# Altium PCB Elevator.PcbDoc (part 3 of 4) (continued)
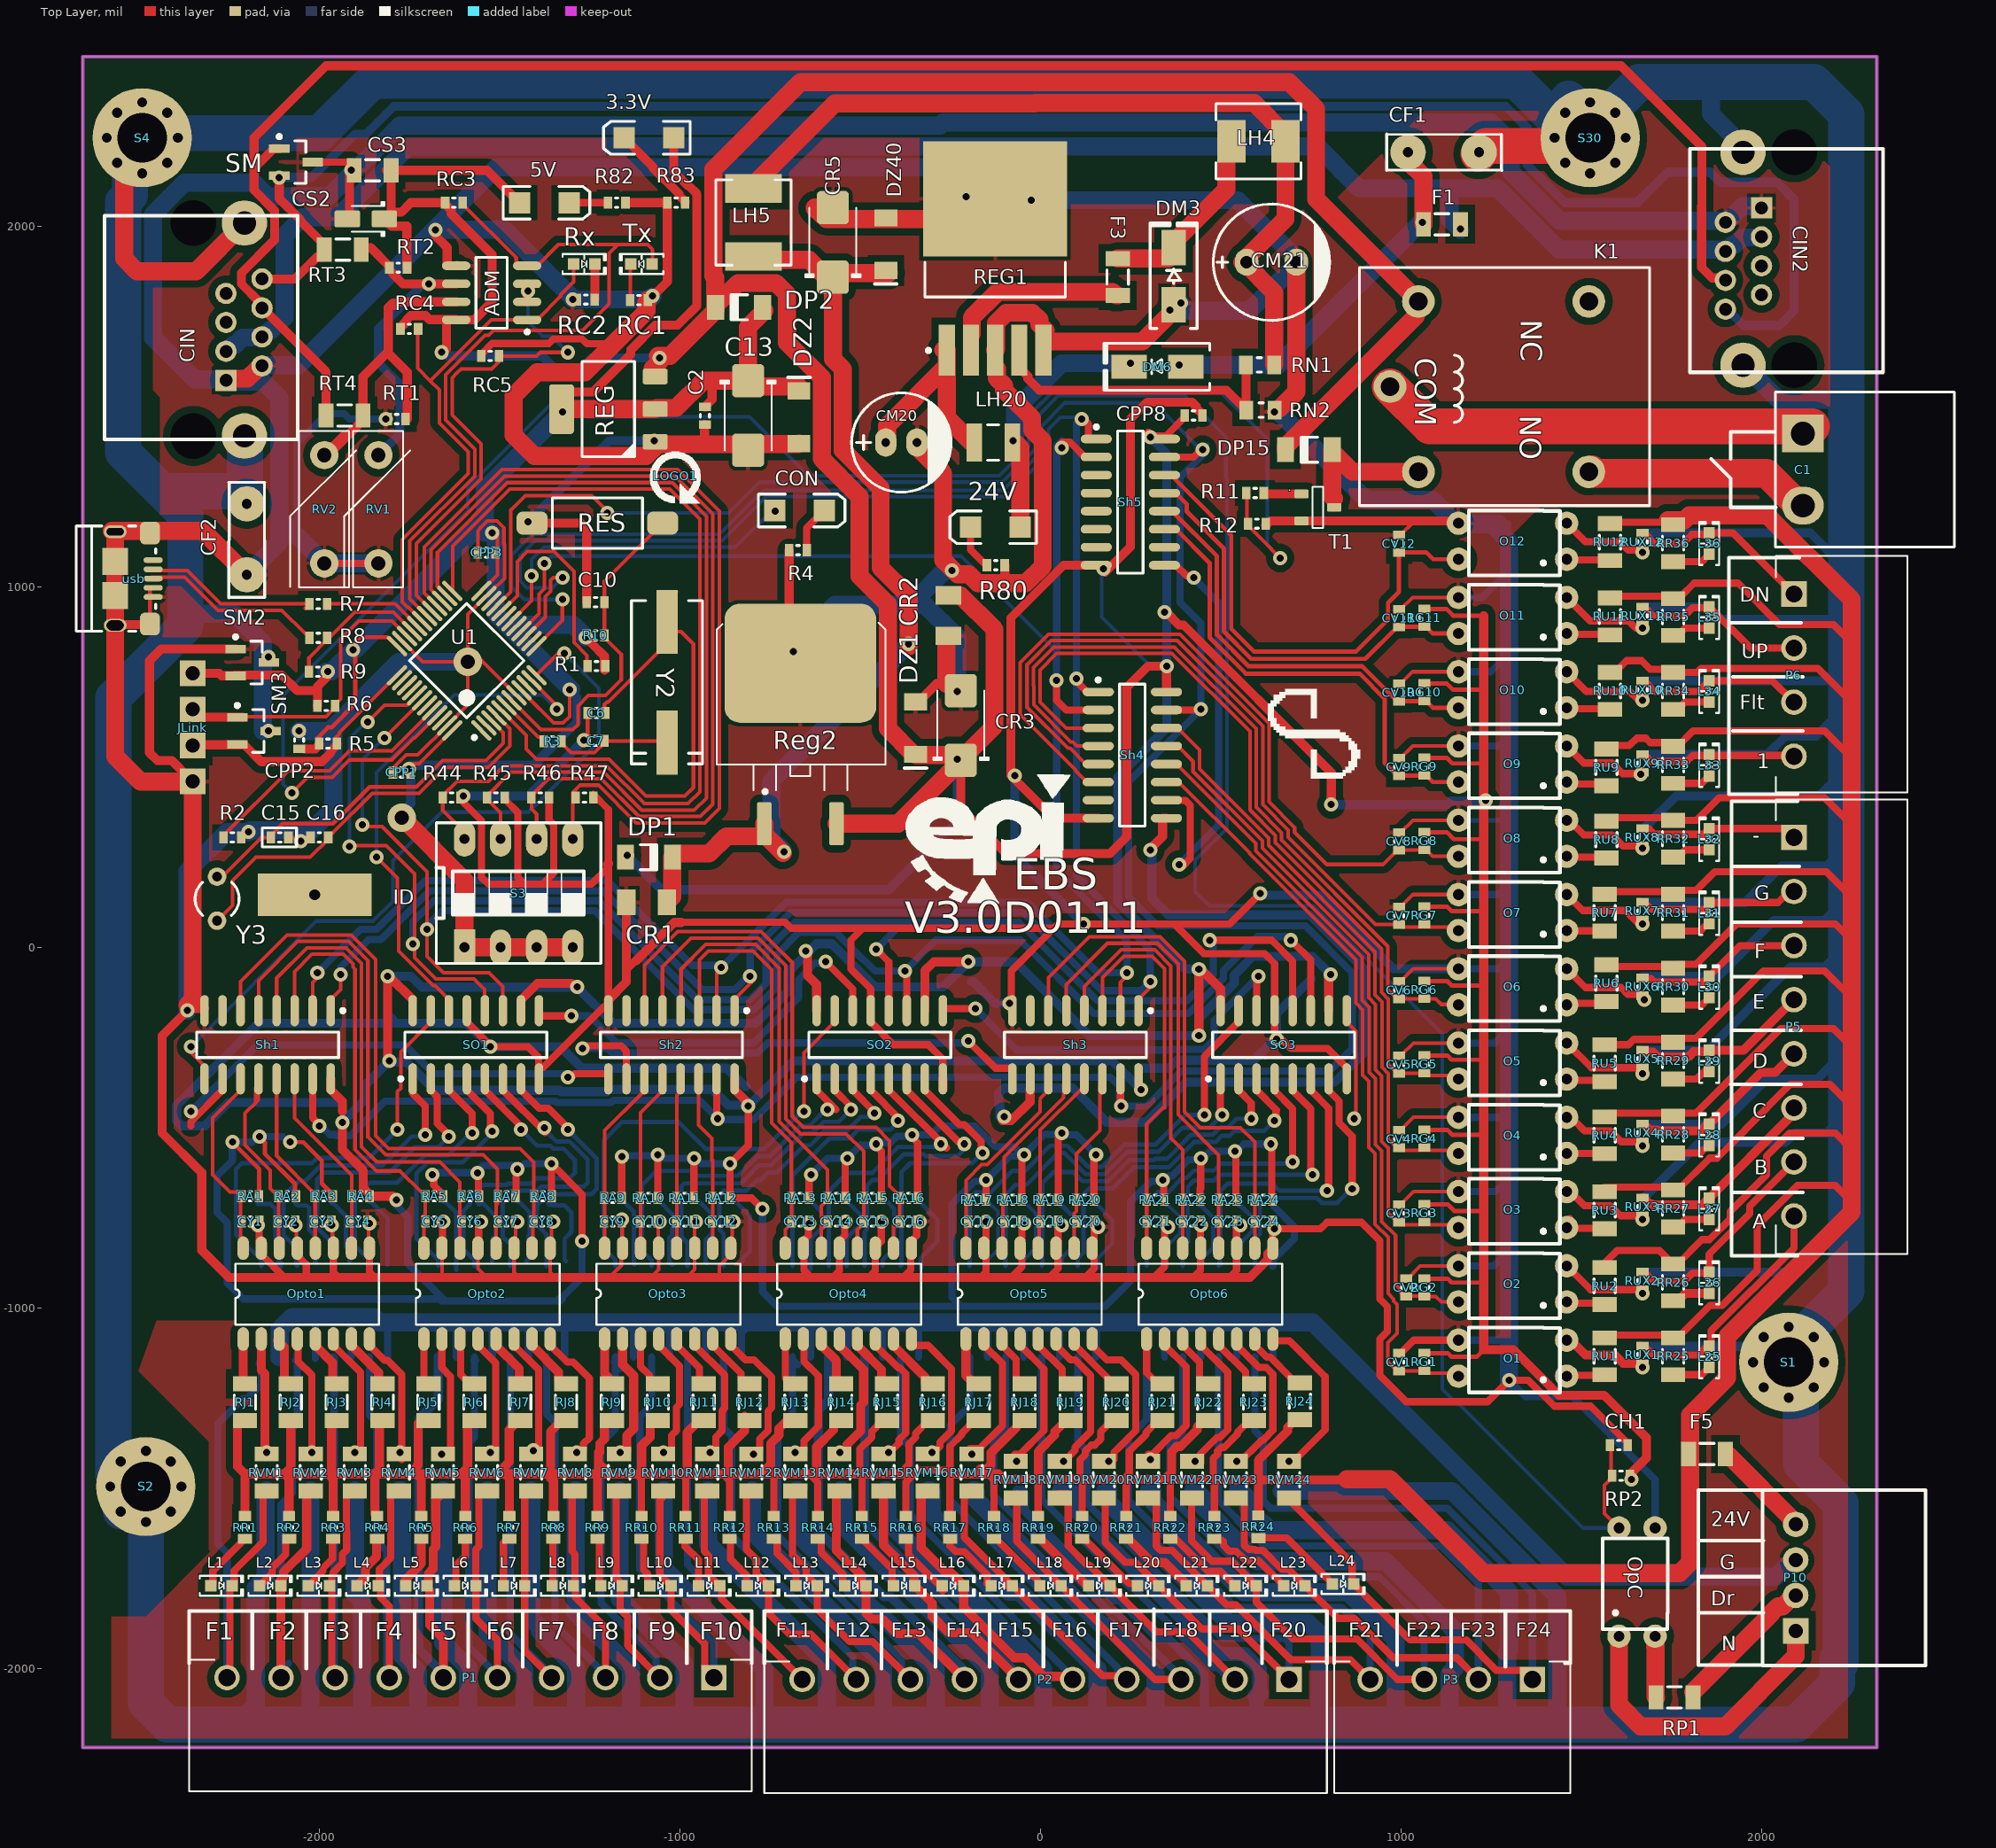
[diagram p0: Top Layer view]
## Nets (pads, with @x,y where several pads share a name; then routed paths per layer and width w, separated by ;. In a path a pad name is that pad's centre, name@x,y a point inside that pad or via, vN(x,y) a via of type N, cw(c..) or ccw(c..) an arc to the next point about the centre after c; other vN are vias at no path point) (continued)
NetO4_1: O4.1 RU4.2 | length 107.9
  Top Layer w20: O4.1@1460,-571.18 O4.1@1471.28,-571.18 ; O4.1@1470,-575 1473.31,-571.69 1564.49,-571.69 RU4.2@1565,-572.2
NetO5_1: O5.1 RU5.2 | length 102
  Top Layer w20: O5.1@1465,-370 1466.27,-368.73 1561.52,-368.73 RU5.2@1565,-372.2
NetO6_1: O6.1 RU6.2 | length 113.3
  Top Layer w20: O6.1@1465,-170 1480.34,-154.66 1565.34,-154.66 RU6.2@1570,-150
NetO7_1: O7.1 RU7.2 | length 105.7
  Top Layer w20: O7.1@1460,46.61 1460.81,45.81 1564.19,45.81 RU7.2@1565,45
NetO8_1: O8.1 RU8.2 | length 131.6
  Top Layer w20: O8.1@1460,252.55 1462.38,250.17 O8.1@1470.82,250.17 ; O8.1@1470,245 1470,249.35 O8.1@1470.82,250.17 ; O8.1@1480.79,260.14 O8.1@1470.82,250.17 ; RU8.2@1570,247.8 1567.62,250.17 O8.1@1470.82,250.17
NetO9_1: O9.1 RU9.2 | length 118.3
  Top Layer w20: O9.1@1460,458.48 1465.34,453.14 O9.1@1471.86,453.14 ; O9.1@1470,455 O9.1@1471.86,453.14 ; O9.1@1472.77,452.23 O9.1@1471.86,453.14 ; RU9.2@1570,447.8 1564.66,453.14 O9.1@1471.86,453.14
NetO10_1: O10.1 RU10.2 | length 108.9
  Top Layer w20: O10.1@1460,664.41 O10.1@1464.4,660.01 ; O10.1@1480,660 1480,661.45 1480.79,662.24 1577.83,662.24 RU10.2@1580,660.07
NetO11_1: O11.1 RU11.2 | length 123
  Top Layer w20: O11.1@1465,875 1471.61,868.39 1578.05,868.39 RU11.2@1580,866.43 ; O11.1@1474.7,855.64 1474.7,859.7 O11.1@1475,860
NetO12_1: O12.1 RU12.2 | length 121
  Top Layer w20: O12.1@1470,1080 1475.47,1074.53 1578.26,1074.53 RU12.2@1580,1072.79 ; O12.1@1471.56,1058.44 1471.56,1061.56 O12.1@1475,1065
NetOpC_2: OpC.2 RP1.1 | length 204.9
  Top Layer w50: OpC.2@1705,-1938.74 OpC.2@1705,-1910 ; OpC.2@1705,-1905 1706.4,-1906.4 1706.4,-2078.6 RP1.1@1707.8,-2080
NetOpto1_1: Opto1.1 RJ1.1 | length 114
  Top Layer w25: RJ1.1@-2210,-1200 Opto1.1@-2210,-1085.98
NetOpto1_3: Opto1.3 RJ2.1 | length 141.3
  Top Layer w25: Opto1.3@-2115,-1090 -2096.12,-1108.88 -2096.12,-1201.83 -2087.95,-1210 RJ2.1@-2077.83,-1210
NetOpto1_5: Opto1.5 RJ3.1 | length 139.7
  Top Layer w25: Opto1.5@-2010,-1085.98 -2010,-1104 -1962.17,-1151.83 -1962.17,-1202.83 RJ3.1@-1960,-1205
NetOpto1_7: Opto1.7 RJ4.1 | length 140.1
  Top Layer w25: Opto1.7@-1910,-1085.98 -1910,-1104 -1835,-1179 RJ4.1@-1835,-1195
NetOpto2_1: Opto2.1 RJ5.1 | length 124.7
  Top Layer w20: Opto2.1@-1709,-1085.98 -1709,-1199.33 -1703.33,-1205 RJ5.1@-1700,-1205
NetOpto2_3: Opto2.3 RJ6.1 | length 138
  Top Layer w20: Opto2.3@-1609,-1085.98 -1607.13,-1087.86 -1607.13,-1184.8 -1591.93,-1200 RJ6.1@-1575,-1200
NetOpto2_5: Opto2.5 RJ7.1 | length 137.3
  Top Layer w25: Opto2.5@-1507.76,-1087.23 Opto2.5@-1509,-1085.98 -1509,-1104 -1445,-1168 RJ7.1@-1445,-1195
NetOpto2_7: Opto2.7 RJ8.1 | length 163.2
  Top Layer w25: Opto2.7@-1409,-1085.98 -1409,-1104 -1335.75,-1177.25 -1335.75,-1201.83 -1332.58,-1205 RJ8.1@-1320,-1205
NetOpto3_1: Opto3.1 RJ9.1 | length 109.1
  Top Layer w25: Opto3.1@-1206.76,-1087.23 Opto3.1@-1208,-1085.98 -1208,-1182 RJ9.1@-1200,-1190
NetOpto3_3: Opto3.3 RJ10.1 | length 144.6
  Top Layer w20: Opto3.3@-1108,-1085.98 -1108,-1162 -1083.9,-1186.1 -1083.9,-1199.33 -1078.23,-1205 RJ10.1@-1065,-1205
NetOpto3_5: Opto3.5 RJ11.1 | length 135.1
  Top Layer w20: Opto3.5@-1008,-1085.98 -1008,-1102.91 -945,-1165.91 RJ11.1@-945,-1195
NetOpto3_7: Opto3.7 RJ12.1 | length 160.5
  Top Layer w20: Opto3.7@-908,-1085.98 -908,-1102.91 -829.55,-1181.36 -829.55,-1200.45 RJ12.1@-820,-1210
NetOpto4_1: Opto4.1 RJ13.1 | length 139.1
  Top Layer w20: Opto4.1@-707,-1085.98 -707,-1194.71 -686.71,-1215 RJ13.1@-685,-1215
NetOpto4_3: Opto4.3 RJ14.1 | length 133.2
  Top Layer w25: Opto4.3@-605.76,-1087.23 Opto4.3@-607,-1085.98 -607,-1104 -565,-1146 RJ14.1@-565,-1200
NetOpto4_5: Opto4.5 RJ15.1 | length 141.8
  Top Layer w25: Opto4.5@-507,-1085.98 -507,-1104 -440,-1171 RJ15.1@-440,-1200
NetOpto4_7: Opto4.7 RJ16.1 | length 160.1
  Top Layer w25: Opto4.7@-407,-1085.98 -407,-1104 -320,-1191 RJ16.1@-320,-1210
NetOpto5_1: Opto5.1 RJ17.1 | length 132.8
  Top Layer w25: Opto5.1@-205.94,-1086.05 Opto5.1@-206,-1085.98 -206,-1187.01 -185,-1208.01 RJ17.1@-185,-1210
NetOpto5_3: Opto5.3 RJ18.1 | length 143.6
  Top Layer w20: Opto5.3@-106,-1085.98 -106,-1102.91 -66.51,-1142.41 -66.51,-1199.33 -60.84,-1205 RJ18.1@-55,-1205
NetOpto5_5: Opto5.5 RJ19.1 | length 157.6
  Top Layer w20: Opto5.5@-6,-1085.98 -6,-1102.91 60.67,-1169.58 60.67,-1199.33 66.33,-1205 RJ19.1@75,-1205
NetOpto5_7: Opto5.7 RJ20.1 | length 158.8
  Top Layer w20: Opto5.7@94,-1085.98 94,-1101.04 187.84,-1194.88 187.84,-1202.84 RJ20.1@190,-1205
NetOpto6_1: Opto6.1 RJ21.1 | length 143.5
  Top Layer w20: Opto6.1@295,-1085.98 295,-1179.32 330,-1214.32 RJ21.1@330,-1215
NetOpto6_3: Opto6.3 RJ22.1 | length 150.1
  Top Layer w20: Opto6.3@395,-1085.98 395,-1102.91 442.19,-1150.1 442.19,-1199.33 452.86,-1210 RJ22.1@455,-1210
NetOpto6_5: Opto6.5 RJ23.1 | length 160.1
  Top Layer w20: Opto6.5@495,-1085.98 495,-1102.91 569.36,-1177.27 569.36,-1199.33 570.03,-1200 RJ23.1@585,-1200
NetOpto6_7: Opto6.7 RJ24.1 | length 182.6
  Top Layer w20: Opto6.7@595,-1085.98 595,-1102.91 628.62,-1136.54 638.19,-1136.54 696.54,-1194.88 696.54,-1197.13 709.41,-1210 RJ24.1@715,-1210
NetOptoO1_2: OptoO1.2 RF1.1 | length 200.6
  Bottom Layer w12: RF1.1@-2170,-711.01 -2135.27,-711.01 -2120.13,-726.14 -2120.13,-809.87 -2110,-820 OptoO1.2@-2110,-865
  Bottom Layer w20: OptoO1.2@-2110.5,-883.51 OptoO1.2@-2110,-884.02 ; OptoO1.2@-2110.5,-874.5 OptoO1.2@-2110,-875
NetOptoO1_4: OptoO1.4 RF2.1 | length 202.4
  Bottom Layer w12: RF2.1@-2065,-710 -2059.19,-715.81 -2034.19,-715.81 -2027.16,-722.84 -2027.16,-783.41 -2010,-800.57 OptoO1.4@-2010,-875
NetOptoO1_6: OptoO1.6 RF3.1 | length 184.6
  Bottom Layer w12: RF3.1@-1965,-710 -1960.08,-710 -1925,-745.08 -1925,-830.19 -1913.73,-841.46 -1913.73,-868.73 OptoO1.6@-1915,-870
NetOptoO1_8: OptoO1.8 RF4.1 | length 197.6
  Bottom Layer w12: RF4.1@-1860,-706.01 -1855.08,-706.01 -1810,-751.09 OptoO1.8@-1810,-880
NetOptoO2_2: OptoO2.2 RF5.1 | length 208.2
  Bottom Layer w12: RF5.1@-1655,-705 -1650.08,-705 -1619,-736.08 OptoO2.2@-1619,-884.02 -1619,-894 OptoO2.2@-1620,-895
NetOptoO2_4: OptoO2.4 RF6.1 | length 183.8
  Bottom Layer w12: RF6.1@-1550,-710 -1545.08,-710 -1510.08,-745 -1510.08,-798.94 -1519,-807.87 -1519,-869 OptoO2.4@-1520,-870
  Bottom Layer w20: RF6.1@-1555,-709.33 RF6.1@-1554.84,-709.16
NetOptoO2_6: OptoO2.6 RF7.1 | length 186.5
  Bottom Layer w12: RF7.1@-1450,-705 -1445.08,-705 -1415,-735.08 -1415,-796.44 -1419,-800.45 -1419,-864 OptoO2.6@-1425,-870
NetOptoO2_8: OptoO2.8 RF8.1 | length 219.8
  Bottom Layer w12: RF8.1@-1355,-710 -1350.27,-714.73 -1320.27,-714.73 -1300,-735 -1300,-788.9 -1319,-807.91 -1319,-866 OptoO2.8@-1315,-870
  Bottom Layer w20: RF8.1@-1360,-710 RF8.1@-1350.08,-710
NetOptoO3_2: OptoO3.2 RF9.1 | length 199.5
  Bottom Layer w12: RF9.1@-1165,-700 -1160.08,-700 -1126.44,-733.64 -1126.44,-878.56 OptoO3.2@-1125,-880
NetOptoO3_4: OptoO3.4 RF10.1 | length 201.1
  Bottom Layer w12: RF10.1@-1060,-705 -1055.08,-705 -1020,-740.08 -1020,-796.94 -1028,-804.95 -1028,-872 OptoO3.4@-1020,-880
NetOptoO3_6: OptoO3.6 RF11.1 | length 205.2
  Bottom Layer w12: RF11.1@-955,-700 -950.08,-700 -910,-740.08 -910,-791.94 -928,-809.95 -928,-872 OptoO3.6@-925,-875
NetOptoO3_8: OptoO3.8 RF12.1 | length 201.9
  Bottom Layer w12: RF12.1@-855,-700 -850.08,-700 -805,-745.08 -805,-842.36 -825,-862.36 OptoO3.8@-825,-870
NetOptoO4_2: OptoO4.2 RF13.1 | length 220.7
  Bottom Layer w12: OptoO4.2@-640,-895 -637,-892 OptoO4.2@-637,-884.02 -637,-809.46 -606.44,-778.9 -606.44,-733.64 -635.08,-705 RF13.1@-640,-705
NetOptoO4_4: OptoO4.4 RF14.1 | length 213.8
  Bottom Layer w12: OptoO4.4@-537,-884.02 -537,-807 -500,-770 -500,-740.08 -535,-705.08 RF14.1@-535,-700
NetOptoO4_6: OptoO4.6 RF15.1 | length 200.6
  Bottom Layer w12: OptoO4.6@-437,-884.02 -437,-867.09 -405,-835.09 -405,-725 RF15.1@-425,-705
NetOptoO4_8: OptoO4.8 RF16.1 | length 229.8
  Bottom Layer w12: RF16.1@-340,-705 -335.08,-705 -285,-755.08 -285,-815.09 -330.63,-860.72 -330.63,-889.37 OptoO4.8@-330,-890
NetOptoO5_2: OptoO5.2 RF17.1 | length 204.9
  Bottom Layer w10: OptoO5.2@-150,-880 -150,-871.09 -117.44,-838.53 -117.44,-732.64 -145.08,-705 RF17.1@-150,-705
NetOptoO5_4: OptoO5.4 RF18.1 | length 196.9
  Bottom Layer w10: OptoO5.4@-50,-875 -50,-871.09 -12.44,-833.53 -12.44,-737.64 -40.08,-710 RF18.1@-45,-710
NetOptoO5_6: OptoO5.6 RF19.1 | length 187.8
  Bottom Layer w12: RF19.1@55,-715 59.92,-715 93.56,-748.64 93.56,-827.53 60,-861.09 OptoO5.6@60,-870
NetOptoO5_8: OptoO5.8 RF20.1 | length 213.1
  Bottom Layer w10: RF20.1@155,-715 159.92,-715 200,-755.08 200,-821.09 160,-861.09 OptoO5.8@160,-890
NetOptoO6_2: OptoO6.2 RF21.1 | length 191.1
  Bottom Layer w10: OptoO6.2@345,-870 345,-835 387.56,-792.44 387.56,-747.64 354.92,-715 RF21.1@350,-715
NetOptoO6_4: OptoO6.4 RF22.1 | length 191.9
  Bottom Layer w12: RF22.1@440,-715 444.92,-715 480,-750.08 480,-832.09 450,-862.09 OptoO6.4@450,-875
NetOptoO6_6: OptoO6.6 RF23.1 | length 197.7
  Bottom Layer w12: OptoO6.6@545,-875 545,-830 589.52,-785.48 589.52,-749.6 554.92,-715 RF23.1@550,-715
NetOptoO6_8: OptoO6.8 RF24.1 | length 211.7
  Bottom Layer w20: OptoO6.8@645,-884.02 645,-867.09 705,-807.09 705,-775 RF24.1@650,-720
NetP10_2: P10.2 RP1.2 | length 397.3
  Top Layer w50: RP1.2@1810,-2065 2026.69,-1848.31 2026.69,-1846.23 2045.95,-1826.97 2059.24,-1826.97 2089.35,-1796.85 P10.2@2095,-1796.85
NetR1_2: R1.2 U1.20 | length 646.6
  Top Layer w10: U1.20@-1500.24,925.24 -1497.46,928.02 -1497.51,928.07 -1497.51,929.25 U1.20@-1493.96,932.8 ; U1.20@-1493.32,932.16 -1455.12,970.36 -1454.64,970.36 -1450,975 -1450,1070 -1422.44,1097.56 -1347.37,1097.56 -1292.44,1042.63 -1292.44,873.6 -1292.56,873.49 -1292.56,845.52 -1256.6,809.56 R1.2@-1256.6,768.99
NetR2_1: R2.1 U1.44 | length 727.3
  Top Layer w10: R2.1@-2265,305 -2265,309.92 -2085.3,489.63 -1970.37,489.63 -1915.24,544.76 -1799.76,544.76 ; -1799.12,544.12 U1.44@-1686.04,657.2
NetR7_2: R7.2 usb.2 | length 496.2
  Top Layer w10: usb.2@-2465,1045 -2365,1045 -2272.44,952.44 R7.2@-2026.6,952.44 -2026.6,947.52 -2033.41,940.71 R7.2@-2038.33,940.71
NetR8_2: R8.2 usb.3 | length 511.2
  Top Layer w10: usb.3@-2465,1027.13 -2372.4,1027.13 -2279.84,934.56 -2102.73,934.56 -2038.33,870.16 -2033.41,870.16 -2026.6,863.35 R8.2@-2026.6,858.43
NetR11_1: R11.1 T1.1 | length 100.8
  Top Layer w25: R11.1@625,1260 627.6,1257.4 T1.1@724.72,1257.4
NetRC1_2: RC1.2 Tx.2 | length 100.7
  Top Layer w10: RC1.2@-1136.67,1795 -1136.67,1893.33 Tx.2@-1135,1895
NetRC2_2: RC2.2 Rx.2 | length 92.9
  Top Layer w25: RC2.2@-1235.37,1796.59 -1235.1,1796.86 -1235.1,1889.02 Rx.2@-1234.83,1889.29
NetREG1_4: REG1.4 RN1.2 RN2.1 | length 786.8
  Top Layer w25: REG1.4@-50,1599.76 -34.15,1583.92 -34.15,1576.76 -2.4,1545 516.26,1545 RN2.1@571.26,1490 ; RN1.2@570,1615 570.63,1614.37 RN2.1@570.63,1499.37
NetSh1_10: Sh1.10 Sh2.9 | length 1440.1
  Top Layer w20: -2355,-495 -2355,-483.64 -2267.35,-395.98 Sh1.10@-2267.35,-364.49 ; v1@-1295,-355 -1295,-353.95 -1291.05,-350 -1199.09,-350 -1197.42,-351.67 Sh2.9@-1197.42,-364.49
  Bottom Layer w20: v1(-2355,-455) -2170.37,-270.37 -1761.67,-270.37 -1682.04,-350 v1@-1305,-350
  other v1: -1310,-360
NetSh2_10: Sh2.10 Sh3.9 | length 1474.5
  Top Layer w20: v1@-1280,-280 -1273.28,-273.28 -1161.72,-273.28 -1147.42,-287.58 Sh2.10@-1147.42,-364.49 ; v1@-195,-265 -194.33,-265 -124.54,-334.8 -79.16,-334.8 -77.49,-336.47 Sh3.9@-77.49,-364.49
  Bottom Layer w20: v1(-1269.33,-280) -1268.98,-280.35 -1199.07,-280.35 -1186.55,-292.87 -783.45,-292.87 -755.58,-265 v1@-205,-265
  other v1: -199.33,-260
NetSh3_10: Sh3.10 Sh4.9 | length 2512.2
  Top Layer w25: v1@-105,-480 -80,-480 -28.17,-428.17 -28.17,-395.3 -27.49,-394.61 Sh3.10@-27.49,-364.49 ; v1@310,270 308.42,271.58 308.42,276.64 339.35,307.57 339.35,357.57 340.03,358.26 Sh4.9@350,358.26
  Bottom Layer w25: v1@-111.52,-470 -111.52,-439.25 -115,-435.77 -115,-405.02 -100.36,-390.37 90.37,-390.37 184.7,-484.7 293.26,-484.7 404.27,-373.68 816.32,-373.68 895.37,-294.63 895.37,-57.42 747.96,90 355,90 310,135 v1@310,270
  other v1: -100,-470 305.67,270
NetSh4_10: Sh4.10 Sh5.9 | length 1209.6
  Top Layer w20: Sh5.9@344.49,1059.74 375.98,1059.74 407.02,1028.71 416.72,1028.71 425,1020.43 v1@425,1020 ; Sh4.10@350,408.26 350.69,407.56 403.02,407.56 416.25,394.33 416.25,246.25 v1@395,225
  Bottom Layer w20: v1(385.67,230) 495,339.33 495,955 v1@430,1020
  other v1: 425.67,1025
NetSO1_9: SO1.9 SO2.14 | length 1126.5
  Top Layer w20: SO1.9@-1389.86,-175.51 -1389.86,-188.33 -1388.19,-190 v1(-1300,-190) ; v1@-590,-40 -590,-45 -519.93,-115.07 SO2.14@-519.93,-175.51
  Bottom Layer w20: v1(-1300,-190) -1250,-190 -1175,-265 -795,-265 -669.54,-139.54 -669.54,-89.54 -623.71,-43.71 -598.71,-43.71 v1(-595,-40)
NetSO2_9: SO2.9 SO3.14 | length 1138.1
  Top Layer w20: SO2.9@-269.93,-175.51 -269.93,-171.67 -268.26,-170 -188.95,-170 -185,-166.05 v1@-185,-165 ; SO3.14@600,-175.51 600,-90.24 605,-85.24 v1(605,-80)
  Bottom Layer w20: v1(-180,-170) -65.37,-284.63 364.46,-284.63 366.53,-282.56 455.56,-282.56 482.78,-255.34 482.78,-202.22 v1(605,-80)
NULL: OpC.1 P10.1 | length 869.8
  Top Layer w50: OpC.1@1605,-1910 1605,-2100 1665,-2160 1900,-2160 2095,-1965 P10.1@2095,-1895.28 P10.1@2095,-1895 ; P10.1@2095,-1890 P10.1@2105,-1900
OSCIN: C6.1 U1.5 Y2.2 | length 1579.8
  Top Layer w10: U1.5@-1493.96,657.2 -1425,588.24 -1425,550 -1396.5,521.5 -1195.39,521.5 -1093.89,420 -985,420 -961.5,443.5 -961.5,841.5 -995.86,875.86 -1010.47,875.86 -1030,895.39 -1030,902.52 Y2.2@-1030,920 ; -1208.31,668.83 -1208.31,673.75 -1201.5,680.56 -1197.9,680.56 -1035,843.47 -1035,895.39 Y2.2@-1035,902.52 -1035,920 -1035,961.58 -1010.47,986.1 Y2.2@-1008.31,986.1
OSCOUT: R3.1 U1.6 | length 147.8
  Top Layer w10: U1.6@-1480.04,671.12 -1392.13,583.21 -1383.25,583.21 -1376.44,576.4 R3.1@-1376.44,571.48
RESET: C10.1 R10.2 RES.2 U1.7 | length 949.2
  Top Layer w10: U1.7@-1466.12,685.04 -1465.63,685.04 -1384.73,604.14 -1295.86,604.14 -1281.99,618.01 -1281.99,669.26 -1252.81,698.44 -1205.31,698.44 -1161.77,741.98 -1161.77,813.27 -1208.61,860.12 R10.2@-1208.61,865.04 -1208.46,865.19 -1208.46,956.85 C10.1@-1208.31,957 -1208.31,1015.23 -1078.54,1145.01 -1078.54,1150.8 -1052.86,1176.48 RES.2@-1047.06,1176.48
RxComm: ADM.1 RC4.1 Rx.1 U1.31 | length 1526.3
  Top Layer w10: RC4.1@-1725,1715 -1726.01,1713.99 -1726.01,1606.01 -1691.32,1571.32 ; U1.31@-1713.88,904.96 -1751.59,942.67 -1754.15,942.67 -1769.24,957.76 -1769.24,1130.76 -1585.75,1314.25 -1585.75,1373.74 -1666.24,1454.23 -1666.24,1546.24 -1691.32,1571.32 ; Rx.1@-1293.89,1889.29 -1293.89,1845.31 -1328.85,1810.35 -1328.85,1806.15 -1395,1740 ADM.1@-1422.61,1740 -1522.64,1740 -1691.32,1571.32
SI24_0: L1.2 OptoO1.16 P1.10 RVM1.2 | length 1504.4
  Top Layer w20: P1.10@-2255,-2025 -2246.69,-2016.69 -2246.69,-1775.75 -2245.94,-1775 L1.2@-2245,-1775 ; L1.2@-2240.94,-1770 -2235.2,-1764.25 -2235.2,-1728.94 -2155,-1648.74 -2155,-1517.87 -2152.13,-1515 RVM1.2@-2150,-1515
  Bottom Layer w20: P1.10@-2265,-2015 -2255,-2005 -2255,-1678.66 -2280,-1653.66 -2280,-1321.09 -2209.92,-1251.01 -2205,-1251.01 ; -2200,-1250 -2199.07,-1250 -2160,-1210.93 OptoO1.16@-2160,-1150 ; OptoO1.16@-2165.31,-1155.11 -2165,-1154.8 -2165,-1148.61 -2161.39,-1148.61 OptoO1.16@-2160,-1150 ; OptoO1.16@-2160,-1135.98 OptoO1.16@-2160,-1150
SI24_1: L2.2 OptoO1.14 P1.9 RVM2.2 | length 1480.6
  Top Layer w25: L2.2@-2108.4,-1756.6 -2098.52,-1746.71 -2098.52,-1732.2 -2033.59,-1667.26 -2033.59,-1515.37 -2025.42,-1507.2 RVM2.2@-2022.83,-1507.2 ; L2.2@-2105.35,-1770.35 -2105.35,-2024.65 P1.9@-2105,-2025
  Bottom Layer w20: P1.9@-2115,-2015 P1.9@-2108.76,-2015 ; P1.9@-2110,-2020 -2105,-2015 -2105,-1544.41 -2073.95,-1513.36 -2073.95,-1333.95 -2060,-1320 OptoO1.14@-2060,-1135.98 OptoO1.14@-2060,-1130 ; P1.9@-2095.27,-2001.5 -2095.27,-1995.27 -2085,-1985 ; OptoO1.14@-2065,-1145 OptoO1.14@-2063.76,-1146.24
SI24_2: L3.2 OptoO1.12 P1.8 RVM3.2 | length 1464.5
  Top Layer w20: L3.2@-1970,-1770 -1964.72,-1775.28 -1964.72,-2015.28 P1.8@-1955,-2025 ; L3.2@-1965,-1764.53 -1964.72,-1764.25 -1964.72,-1744.62 -1960.78,-1740.68 -1960.78,-1733.23 -1934.6,-1707.05 -1934.6,-1682.23 -1923.09,-1670.72 -1923.09,-1618.82 -1924.12,-1617.79 -1924.12,-1517.87 -1913.45,-1507.2 RVM3.2@-1900.65,-1507.2
  Bottom Layer w20: P1.8@-1970,-2040 -1957.8,-2027.8 -1957.8,-1138.18 OptoO1.12@-1960,-1135.98 OptoO1.12@-1960,-1135
SI24_3: L4.2 OptoO1.10 P1.7 RVM4.2 | length 1454.4
  Top Layer w20: L4.2@-1835,-1775 -1830.23,-1775 -1829.48,-1775.75 -1829.48,-1802.83 -1805,-1827.31 P1.7@-1805,-2025 ; L4.2@-1832.21,-1766.98 -1832.21,-1724.25 -1800.92,-1692.96 -1800.92,-1510.92 RVM4.2@-1795,-1505
  Bottom Layer w20: OptoO1.10@-1860,-1135.98 -1860,-1160 -1860,-1185.93 -1860,-1298.01 -1840,-1318.01 -1840,-1647.12 -1812.24,-1674.89 -1812.24,-2017.76 P1.7@-1805,-2025
SI24_4: L5.2 OptoO2.16 P1.6 RVM5.2 | length 1455.3
  Top Layer w25: L5.2@-1699.99,-1770 -1696.75,-1766.75 -1696.75,-1736.13 -1683.43,-1722.82 -1683.43,-1669.4 -1676.25,-1662.22 -1676.25,-1531.25 RVM5.2@-1665,-1520 ; L5.2@-1692.81,-1783.11 -1692.81,-1878.95 -1655,-1916.75 P1.6@-1655,-2025
  Bottom Layer w25: OptoO2.16@-1669,-1135.98 -1669,-1252.34 -1723.99,-1307.33 -1723.99,-1638.34 -1723.99,-1945.24 -1660,-2009.23 P1.6@-1660,-2020
SI24_5: L6.2 OptoO2.14 P1.5 RVM6.2 | length 1483.8
  Top Layer w20: RVM6.2@-1545,-1515 -1553.7,-1515 -1556.57,-1517.87 -1556.57,-1661.18 -1565.37,-1669.99 -1565.37,-1769.38 L6.2@-1564.76,-1770 -1564.76,-1860.74 -1505,-1920.5 P1.5@-1505,-2025
  Bottom Layer w20: OptoO2.14@-1570,-1145 -1569,-1146 OptoO2.14@-1569,-1135.98 ; OptoO2.14@-1565,-1145 -1569,-1149 -1569,-1359.34 -1584.38,-1374.72 -1584.38,-1515.42 -1584.38,-1938.38 -1510,-2012.77 P1.5@-1510,-2030
SI24_6: L7.2 OptoO2.12 P1.4 RVM7.2 | length 1463.3
  Top Layer w20: RVM7.2@-1420,-1510 -1421.64,-1510 -1429.52,-1517.87 L7.2@-1429.52,-1770 -1429.52,-1950.48 -1365,-2015 P1.4@-1360,-2015
  Bottom Layer w20: OptoO2.12@-1469,-1135.98 -1469,-1156 -1469,-1903.77 -1368,-2004.77 -1368,-2013 P1.4@-1370,-2015
SI24_7: L8.2 OptoO2.10 P1.3 RVM8.2 | length 1508.6
  Top Layer w20: L8.2@-1290,-1760 -1290,-1682.84 -1298.04,-1674.8 -1298.04,-1515.46 RVM8.2@-1289.78,-1507.2 ; L8.2@-1289.28,-1775 -1288.53,-1775.75 -1288.53,-1802.83 -1205,-1886.36 P1.3@-1205,-2025
  Bottom Layer w20: OptoO2.10@-1370,-1150 OptoO2.10@-1369,-1151 ; OptoO2.10@-1369,-1135.98 OptoO2.10@-1369,-1151 ; OptoO2.10@-1365,-1160 OptoO2.10@-1360,-1165 ; P1.3@-1200,-2020 -1202.77,-2020 -1345,-1877.77 -1345,-1317.51 -1369,-1293.51 -1369,-1165 OptoO2.10@-1369,-1151
SI24_8: L9.2 OptoO3.16 P1.2 RVM9.2 | length 1555.9
  Top Layer w20: RVM9.2@-1167.61,-1507.2 -1175.87,-1515.46 -1175.87,-1749.13 L9.2@-1165,-1760 ; L9.2@-1165,-1770 -1165,-1835.62 -1144.25,-1856.37 -1144.25,-1935.75 P1.2@-1055,-2025
  Bottom Layer w20: OptoO3.16@-1180,-1150 OptoO3.16@-1178,-1152 ; OptoO3.16@-1178,-1135.98 OptoO3.16@-1178,-1152 ; OptoO3.16@-1175,-1145 -1175.8,-1145.8 -1175.8,-1158.22 -1165.39,-1168.63 ; P1.2@-1065,-2020 -1064.73,-2019.73 -1064.73,-2001.5 -1065,-2001.24 -1065,-1970 -1217.21,-1817.79 -1217.21,-1374.72 -1178,-1335.52 OptoO3.16@-1178,-1152
SI24_9: L10.2 OptoO3.14 P1.1 RVM10.2 | length 1609.4
  Top Layer w20: RVM10.2@-1050,-1510 -1031.68,-1510 -1055,-1533.32 -1055,-1738.8 L10.2@-1023.8,-1770 -1023.8,-1838.1 -930.43,-1931.47 -930.43,-1999.57 P1.1@-905,-2025 -900,-2030 P1.1@-895,-2030
  Bottom Layer w20: OptoO3.14@-1078,-1135.98 -1078,-1269.51 -1110,-1301.51 -1110,-1725 -905,-1930 P1.1@-905,-2025 P1.1@-905,-2030
SI24_10: L11.2 OptoO3.12 P2.10 RVM11.2 | length 1644.9
  Top Layer w20: RVM11.2@-923.26,-1507.2 -931.52,-1515.46 -931.52,-1674.8 -919.75,-1686.57 -919.75,-1740.25 L11.2@-895,-1765 ; L11.2@-890,-1775 -883.57,-1775 -882.82,-1775.75 -882.82,-1807.18 P2.10@-660,-2030
  Bottom Layer w20: OptoO3.12@-978,-1135.98 -978,-1712 -675,-2015 P2.10@-675,-2025
SI24_11: L12.2 OptoO3.10 P2.9 RVM12.2 | length 1724.8
  Top Layer w20: RVM12.2@-815,-1510 -815,-1669.15 -787.13,-1697.02 -787.13,-1736.2 L12.2@-753.33,-1770 -753.33,-1846.41 -695.11,-1904.63 -635.37,-1904.63 P2.9@-510,-2030
  Bottom Layer w20: OptoO3.10@-878,-1135.98 -878,-1331.39 -855,-1354.39 -855,-1631.24 -519.73,-1966.5 -519.73,-2010.27 P2.9@-505,-2025
SI24_12: L13.2 OptoO4.16 P2.8 RVM13.2 | length 1752.6
  Top Layer w20: RVM13.2@-678.91,-1507.2 -687.17,-1515.46 -687.17,-1683.56 -649.27,-1721.46 -649.27,-1738.82 -623.09,-1765 L13.2@-620,-1765 ; L13.2@-618.09,-1770 -618.09,-1836 -528.89,-1925.2 -464.8,-1925.2 -375,-2015 P2.8@-375,-2030
  Bottom Layer w20: OptoO4.16@-687,-1135.98 -687,-1150 -687,-1297 -727.64,-1337.64 -727.64,-1630.95 -385,-1973.6 P2.8@-385,-2030 ; OptoO4.16@-680,-1150 OptoO4.16@-672.44,-1157.56
SI24_13: L14.2 OptoO4.14 P2.7 RVM14.2 | length 1791.9
  Top Layer w25: RVM14.2@-556.74,-1507.2 -557.2,-1507.2 -565.37,-1515.37 -565.37,-1672.58 -495,-1742.96 L14.2@-495,-1770 ; L14.2@-482.85,-1770 -482.85,-1847.31 -468.21,-1861.96 -438.6,-1861.96 -397.45,-1903.11 -336.9,-1903.11 P2.7@-215,-2025
  Bottom Layer w25: OptoO4.14@-587,-1135.98 -587,-1255.84 -615,-1283.84 -615,-1618.79 -432.48,-1801.31 -413.69,-1801.31 -215,-2000 P2.7@-215,-2025
SI24_14: L15.2 OptoO4.12 P2.6 RVM15.2 | length 1786.2
  Top Layer w25: RVM15.2@-434.57,-1507.2 -434.57,-1657.48 -350,-1742.04 L15.2@-350,-1775 ; L15.2@-347.61,-1770 -299.54,-1818.07 -299.54,-1854.54 -253.81,-1900.28 -189.72,-1900.28 -70,-2020 P2.6@-70,-2030
  Bottom Layer w25: OptoO4.12@-487,-1135.98 -487,-1592.23 -60,-2019.23 P2.6@-60,-2030
SI24_15: L16.2 OptoO4.10 P2.5 RVM16.2 | length 1876.3
  Top Layer w25: RVM16.2@-332.33,-1515.37 RVM16.2@-330,-1515.37 ; RVM16.2@-312.39,-1507.2 -321.83,-1507.2 RVM16.2@-330,-1515.37 ; RVM16.2@-310.57,-1515.37 RVM16.2@-330,-1515.37 ; P2.5@75,-2030 75,-2027.41 68.81,-2021.22 10.15,-2021.22 -41.08,-1970 -72.48,-1970 -212.38,-1830.11 L16.2@-212.38,-1770 -233.3,-1749.07 -233.3,-1747.82 -247.24,-1733.88 -261.12,-1733.88 -330,-1665 RVM16.2@-330,-1515.37
  Bottom Layer w20: OptoO4.10@-387,-1135.98 -387,-1158.02 -387,-1358.47 -361,-1384.47 -361,-1571.77 92.23,-2025 P2.5@95,-2025
SI24_16: L17.2 OptoO5.16 P2.4 RVM17.2 | length 1845.6
  Top Layer w20: RVM17.2@-190.22,-1507.2 -210,-1526.99 -210,-1636.76 -90,-1756.76 L17.2@-90,-1770 ; L17.2@-77.14,-1770 172.86,-2020 216.24,-2020 216.5,-2020.27 234.73,-2020.27 P2.4@235,-2020
  Bottom Layer w20: OptoO5.16@-196,-1135.98 -196,-1175 -196,-1271 -250,-1325 -250,-1532.77 215,-1997.77 P2.4@215,-2030
SI24_17: L18.2 OptoO5.14 P2.3 RVM18.2 | length 1885.5
  Top Layer w20: RVM18.2@-65,-1515 -65,-1646.9 L18.2@58.1,-1770 318.1,-2030 385,-2030 P2.3@390,-2035
  Bottom Layer w20: OptoO5.14@-96,-1135.98 -96,-1149 -96,-1341 -130,-1375 -130,-1518.76 191.25,-1840.01 207.24,-1840.01 390,-2022.77 P2.3@390,-2035
SI24_18: L19.2 OptoO5.12 P2.2 RVM19.2 | length 1913.9
  Top Layer w20: RVM19.2@50,-1515 74.72,-1515 77.59,-1517.87 77.59,-1660.03 130.28,-1712.72 136.05,-1712.72 L19.2@193.34,-1770 321.35,-1898.01 408.01,-1898.01 P2.2@535,-2025
  Bottom Layer w20: OptoO5.12@4,-1135.98 4,-1530.37 250.05,-1776.42 258.3,-1776.42 479.12,-1997.24 493.48,-1997.24 531.24,-2035 P2.2@535,-2035
SI24_19: L20.2 OptoO5.10 P2.1 RVM20.2 | length 2031.2
  Top Layer w20: RVM20.2@180,-1525 180,-1650 235.28,-1705.28 263.85,-1705.28 L20.2@328.58,-1770 448.73,-1890.16 550.16,-1890.16 680,-2020 P2.1@680,-2035
  Bottom Layer w20: OptoO5.10@104,-1135.98 104,-1369.34 129.1,-1394.44 129.1,-1540.09 505.5,-1916.5 678.28,-1916.5 690,-1928.21 P2.1@690,-2030
SI24_20: L21.2 OptoO6.16 P3.4 RVM21.2 | length 2261.8
  Top Layer w20: RVM21.2@321.94,-1517.87 321.94,-1660.03 334.01,-1672.1 365.91,-1672.1 460,-1766.19 L21.2@460,-1770 ; L21.2@463.81,-1770 516.69,-1822.87 542.87,-1822.87 695,-1975 860,-1975 P3.4@915,-2030 P3.4@925,-2030
  Bottom Layer w20: OptoO6.16@295,-1135.98 295,-1310 245,-1360 245,-1534.73 541.02,-1830.75 761.38,-1830.75 835.75,-1830.75 915,-1910 P3.4@915,-2030
SI24_21: L22.2 OptoO6.14 P3.3 RVM22.2 | length 2334.3
  Top Layer w20: RVM22.2@420,-1540 420,-1645.58 476.55,-1702.13 531.55,-1702.13 585,-1755.57 L22.2@585,-1765 ; L22.2@599.05,-1770 599.05,-1815.75 701.31,-1918.01 878.4,-1918.01 990.39,-2030 1055,-2030 P3.3@1060,-2025
  Bottom Layer w20: OptoO6.14@395,-1135.98 395,-1152.91 395,-1345 360,-1380 360,-1522.53 582.47,-1745 940,-1745 1065,-1870 P3.3@1065,-2030 ; P3.3@1055,-2035 P3.3@1055,-2033.76
SI24_22: L23.2 OptoO6.12 P3.2 RVM23.2 | length 2443.2
  Top Layer w20: RVM23.2@530,-1535 563.42,-1535 566.29,-1537.87 566.29,-1658.03 577.91,-1669.65 594.89,-1669.65 597.62,-1672.38 617.03,-1672.38 669.65,-1725 689.29,-1725 729.29,-1765 L23.2@730,-1765 ; L23.2@734.29,-1770 824.66,-1860.37 870.37,-1860.37 980,-1970 1155,-1970 1210,-2025 P3.2@1225,-2025
  Bottom Layer w20: OptoO6.12@495,-1135.98 495,-1147.91 495,-1533.73 544.25,-1582.99 544.25,-1585.52 599.48,-1640.75 602.01,-1640.75 620.52,-1659.25 1111.22,-1659.25 1215,-1763.03 P3.2@1215,-2030